# Altium PCB obc_board.PcbDoc (part 2 of 2) (continued)
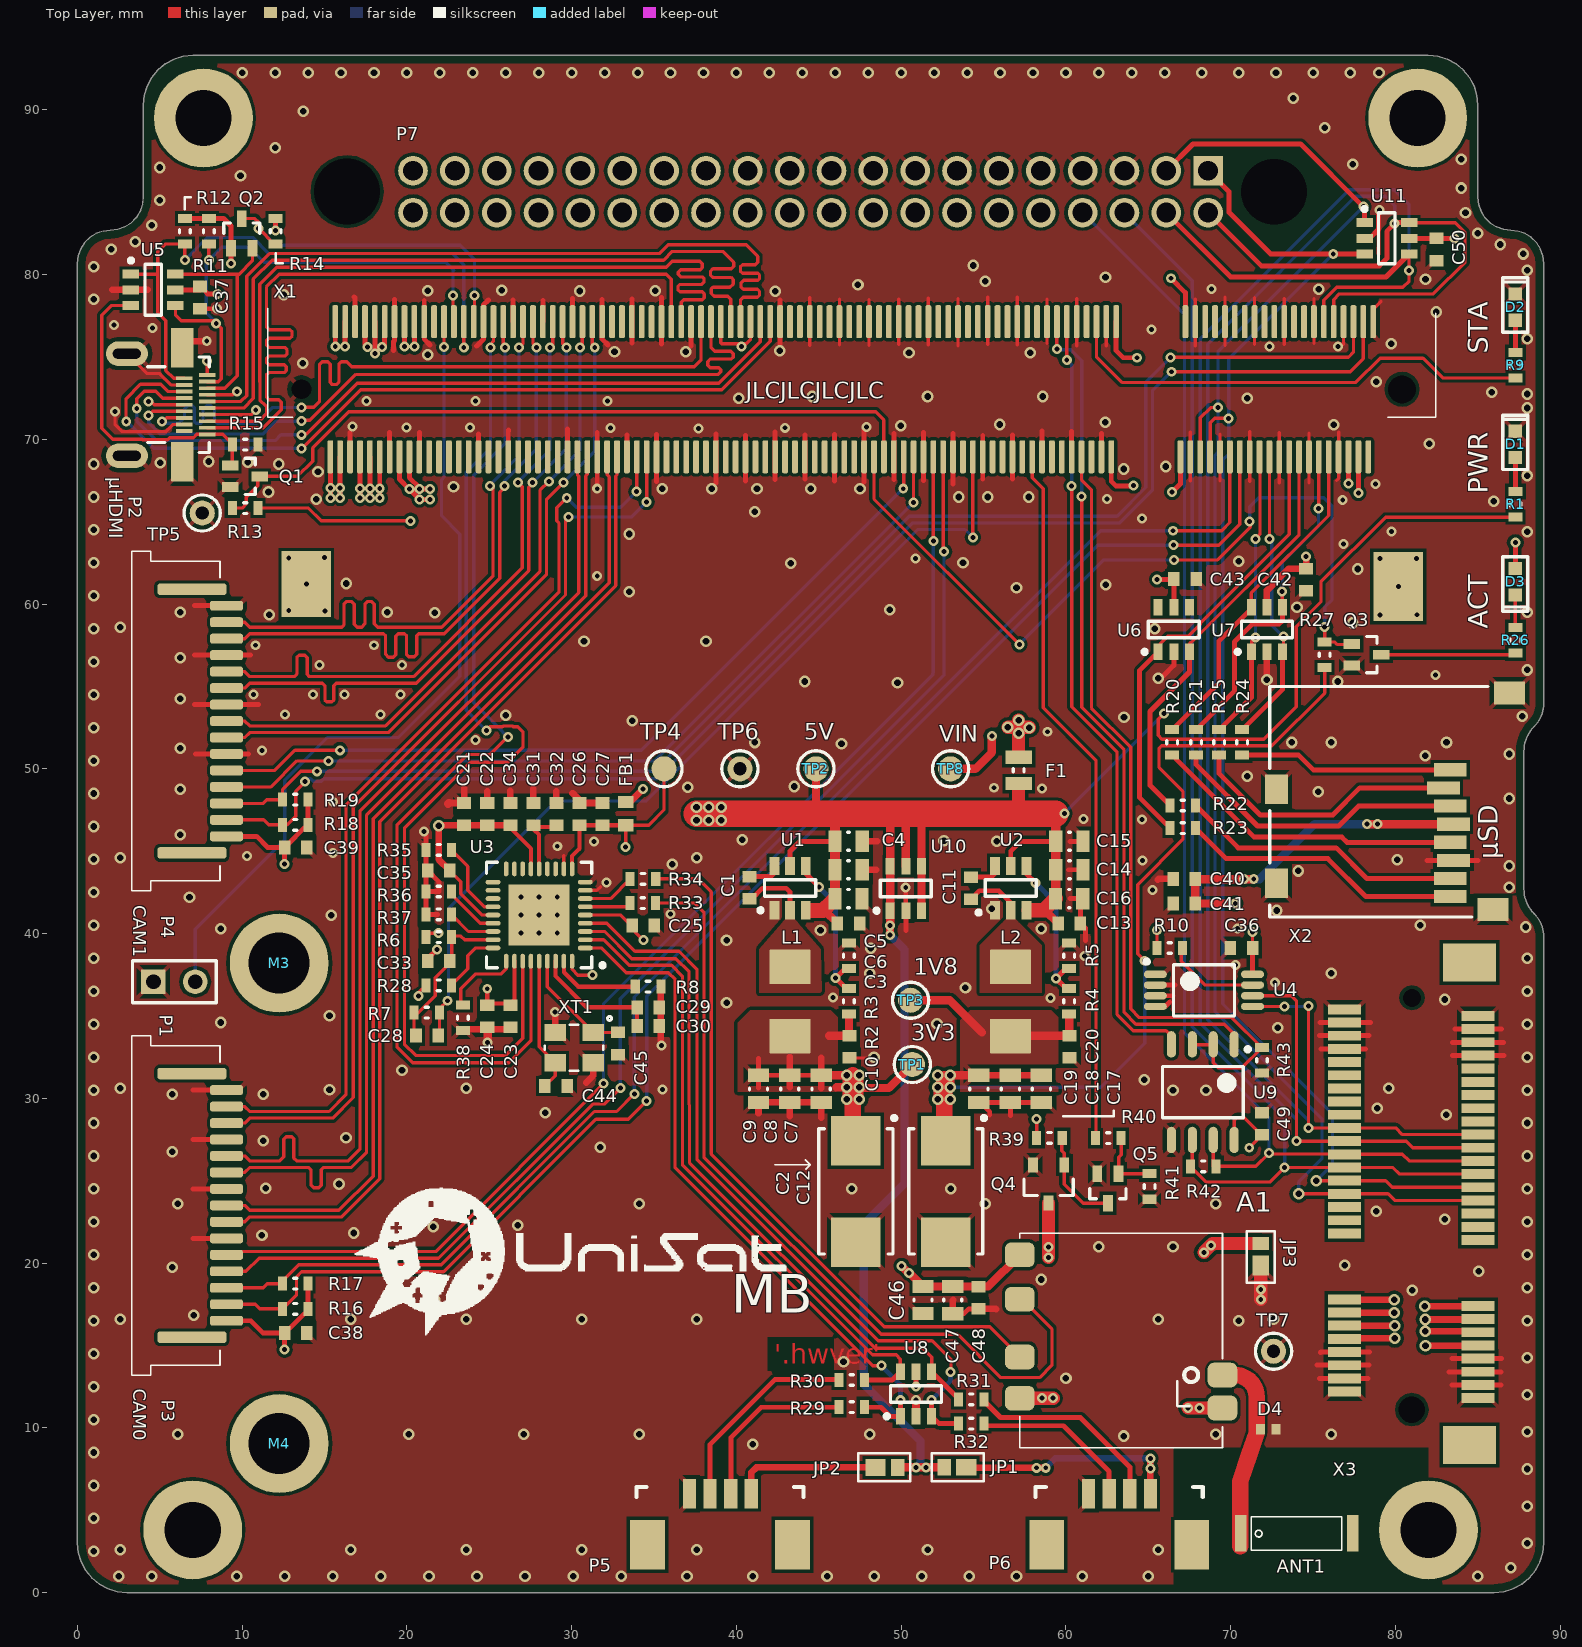
[diagram p0: Top Layer view]
## Nets (pads, with @x,y where several pads share a name; then routed paths per layer and width w, separated by ;. In a path a pad name is that pad's centre, name@x,y a point inside that pad or via, vN(x,y) a via of type N, cw(c..) or ccw(c..) an arc to the next point about the centre after c; other vN are vias at no path point) (continued)
HDMI_D0_P: P2.9 X1.119 | length 48.6
  Top Layer w0.2: P2.9@7.875,71.9 9.257,71.9 9.488,71.9 9.49,71.897 10.09,71.897 10.677,72.485 10.677,72.488 ; 10.678,72.488 10.678,73.319 10.675,73.322 10.675,79.731 11.819,80.875 35.575,80.875 36.1,81.4 39.175,81.4 39.842,80.733 39.842,80.492 39.7,80.35 38.575,80.35 38.425,80.2 38.425,79.95 38.55,79.825 39.675,79.825 39.8,79.7 39.8,79.425 39.6,79.225 38.575,79.225 38.475,79.125 38.475,78.85 38.65,78.675 39.475,78.675 39.65,78.5 X1.119@39.65,77.138
HDMI_D1_N: P2.8 X1.123 | length 45.5
  Top Layer w0.2: v2(4.325,71.45) 4.573,71.698 4.575,71.698 4.577,71.7 P2.8@6.475,71.7 ; v2@13.6,71.15 14.116,71.15 16.903,73.938 38.888,73.938 39.05,74.1 39.05,74.225 38.925,74.35 38.4,74.35 38.25,74.5 38.25,74.7 38.425,74.875 39.7,74.875 39.806,74.981 39.806,75.194 39.65,75.35 38.675,75.35 38.45,75.575 X1.123@38.45,77.138
  Bot Layer w0.2: v2(4.325,71.45) 4.325,71 5.002,70.323 5.62,70.323 5.623,70.325 11.275,70.325 12.05,71.1 v2(13.6,71.1)
HDMI_D1_P: P2.6 X1.125 | length 45.1
  Top Layer w0.2: v2@5.2,71.075 5.425,71.3 P2.6@6.475,71.3 ; v2@13.625,71.95 14.35,71.95 14.687,72.287 14.687,74.537 14.85,74.7 15.2,74.7 15.35,74.55 15.35,73.45 15.475,73.325 15.725,73.325 15.875,73.475 15.875,74.55 16.025,74.7 16.35,74.7 16.65,74.4 37.431,74.4 37.85,74.819 X1.125@37.85,77.138
  Bot Layer w0.2: v2@5.35,70.975 6.15,70.975 6.5,71.325 6.5,71.85 6.7,72.05 6.975,72.05 7.1,71.925 7.1,71.075 7.2,70.975 7.5,70.975 7.625,71.1 7.625,71.825 7.85,72.05 8.1,72.05 8.325,71.825 8.325,71.15 8.5,70.975 10.875,70.975 11.073,71.172 11.075,71.172 11.428,71.525 11.428,71.528 11.825,71.925 v2(13.6,71.925)
  other v2: 5.125,71.075
HDMI_D2_N: P2.5 X1.129 | length 49.6
  Top Layer w0.2: P2.5@7.875,71.1 9.156,71.1 9.159,71.098 10.422,71.098 10.424,71.1 11.025,71.1 11.475,71.55 11.475,71.975 11.428,72.022 11.428,72.025 11.078,72.374 11.078,73.484 11.075,73.487 11.075,79.425 12.1,80.45 35.75,80.45 36.1,80.8 37.775,80.8 37.925,80.65 37.925,80.425 37.8,80.3 36.625,80.3 36.475,80.15 36.475,80.025 36.65,79.85 37.95,79.85 38.025,79.775 38.025,79.525 37.9,79.4 36.575,79.4 36.45,79.275 36.45,79.075 36.575,78.95 37.925,78.95 38.05,78.825 38.05,78.6 37.925,78.475 36.8,78.475 36.65,78.325 X1.129@36.65,77.138
HDMI_D2_P: P2.3 X1.131 | length 47.7
  Top Layer w0.2: P2.3@7.875,70.7 8.991,70.7 8.993,70.698 10.587,70.698 10.59,70.7 11.275,70.7 12.363,71.787 12.363,72.263 12.225,72.4 11.625,72.4 11.478,72.547 11.478,73.65 11.475,73.653 11.475,73.925 11.6,74.05 12.55,74.05 12.675,74.175 12.675,74.4 12.55,74.525 11.625,74.525 11.475,74.675 11.475,74.9 11.625,75.05 12.575,75.05 12.725,75.2 12.725,75.425 12.575,75.575 11.625,75.575 11.475,75.725 11.475,75.975 11.625,76.125 12.881,76.125 13.025,76.269 13.025,76.525 12.9,76.65 11.65,76.65 11.475,76.825 11.475,79.25 12.25,80.025 35.75,80.025 36.05,79.725 X1.131@36.05,77.138
HDMI_HPD_N_1V8: Q1.3 R13.1 X1.88 | length 45.4
  Top Layer w0.2: R13.1@9.4,65.825 10,65.825 10.25,66.075 10.25,66.475 10.95,67.175 10.95,67.625 Q1.3@11.075,67.75 13.35,67.75 14.275,68.675 14.275,69.475 16.475,71.675 48.45,71.675 48.95,71.175 X1.88@48.95,68.938
HDMI_HT_DET: P2.1 Q1.1 R15.2 U5.3 | length 18.8
  Top Layer w0.2: U5.3@3.25,78.125 2.075,78.125 1.473,77.523 1.473,70.677 2.148,70.002 3.94,70.002 3.967,69.975 5.469,69.975 5.596,70.102 7.045,70.102 7.243,70.3 P2.1@7.875,70.3 8.825,70.3 9.4,69.725 R15.2@9.4,69.675 9.4,68.525 Q1.1@9.275,68.4
HDMI_SCL: P2.17 R11.1 U5.4 X1.175 | length 31.7
  Top Layer w0.2: U5.4@5.95,78.125 5.95,77.55 6.3,77.2 8.275,77.2 8.437,77.038 8.725,76.75 8.725,73.675 8.55,73.5 P2.17@7.875,73.5 ; v2(7.975,80.875) R11.1@7.975,81.85 ; v2(22.8,78.725) 22.8,77.188 X1.175@22.85,77.138
  Bot Layer w0.2: v2(8.425,77.025) 8.425,77.076 7.825,77.676 7.825,80.725 v2(7.975,80.875) 8.75,81.65 10.425,81.65 11.325,80.75 22.35,80.75 22.85,80.25 22.8,80.2 v2(22.8,78.725)
HDMI_SDA: P2.18 R12.1 U5.1 X1.173 | length 37.9
  Top Layer w0.2: U5.1@3.25,80.025 4.875,80.025 ; P2.18@6.475,73.7 5.841,73.7 5.366,74.175 5.366,77.209 4.875,77.7 4.875,80.025 ; v2(6.522,80.878) R12.1@6.522,81.85 5.325,81.85 4.875,81.4 4.875,80.025 ; v2(23.45,75.575) X1.173@23.45,77.138
  Bot Layer w0.2: v2(6.522,80.878) 7.895,82.25 10.65,82.25 11.625,81.275 22.775,81.275 23.45,80.6 v2(23.45,75.575)
HPLLFILT: C29.2 C30.2 U3.34 | length 7.8
  Top Layer w0.25: U3.34@29.025,38.325 29.025,37.414 30.914,35.525 C29.2@33.975,35.525 C30.2@33.975,34.375
HRBIAS: R8.2 U3.35 | length 5.4
  Top Layer w0.25: U3.35@29.525,38.325 29.525,37.65 30.4,36.775 R8.2@33.859,36.775
HRESET: C28.2 C33.1 R6.1 R7.2 U3.26 | length 9.7
  Top Layer w0.2: C28.2@20.55,33.8 20.425,33.925 R7.2@20.425,35.2 20.7,35.2 21.725,36.225 21.725,37.325 22.6,38.2 C33.1@22.6,38.32 ; C33.1@22.7,38.32 22.714,38.334 R6.1@22.714,39.783 22.781,39.85 23.275,39.85 23.5,39.625 U3.26@25.225,39.625
NetA1_1: A1.1 ANT1.1 D4.2 | length 12
  Top Layer w1: A1.1@69.5,13.2 70.25,13.2 cw(c70.25,11.875) 71.575,11.875 71.575,9.925 71.575,9.7 71.145,8.431 70.575,6.75 70.575,3.6 ANT1.1@70.575,2.825
NetC1_1: C1.1 L1.1 U1.2 | length 3.9
  Top Layer w0.3: C1.1@40.8,42.1 40.925,42.1 41.575,42.75 43.025,42.75 43.258,42.517 U1.2@43.258,41.412
NetC1_2: C1.2 U1.6 | length 2
  Top Layer w0.3: C1.2@40.8,43.45 42.075,43.45 42.308,43.683 U1.6@42.308,44.112
NetC11_1: C11.1 L2.1 U2.2 | length 3.4
  Top Layer w0.3: C11.1@54.225,42.08 54.745,42.6 55.925,42.6 56.65,41.875 U2.2@56.65,41.412
NetC11_2: C11.2 U2.6 | length 2
  Top Layer w0.3: C11.2@54.225,43.43 55.455,43.43 55.7,43.675 U2.6@55.7,44.112
NetD1_2: D1.2 R1.1 | length 2.1
  Top Layer w0.3: R1.1@87.275,66.825 D1.2@87.275,68.887
NetD2_2: D2.2 R9.1 | length 1.9
  Top Layer w0.3: R9.1@87.275,75.275 D2.2@87.275,77.225
NetD3_1: D3.1 R26.2 | length 2
  Top Layer w0.2: R26.2@87.275,58.575 D3.1@87.275,60.55
NetQ3_3: Q3.3 R26.1 | length 8.2
  Top Layer w0.2: Q3.3@79.15,56.925 87.175,56.925 R26.1@87.275,57.025
NetQ4_1: Q4.1 Q5.3 R39.1 | length 6
  Top Layer w0.2: R39.1@59.775,27.6 59.75,27.575 59.75,26.825 59.9,26.675 Q4.1@59.9,25.95 59.9,24.775 61.05,23.625 Q5.3@62.55,23.625
NetQ5_1: Q5.1 R40.2 R41.2 | length 4.1
  Top Layer w0.2: R40.2@63.35,27.578 63.35,26.575 63.2,26.425 Q5.1@63.2,25.425 R41.2@65.075,25.425
NetR2_1: R2.1 R3.2 U1.4 | length 9.7
  Top Layer w0.3: U1.4@44.208,44.112 44.208,43.642 45,42.85 v2(45,42.825) ; R2.1@46.825,36.675 46.65,36.675 v2(46.025,37.3) 46.6,37.875 R3.2@46.825,37.875
  Bot Layer w0.3: v2(45,42.825) 46.025,41.8 v2(46.025,37.3)
NetR4_1: R4.1 R5.2 U2.4 | length 9.5
  Top Layer w0.3: U2.4@57.6,43.925 57.6,43.625 v2(58.15,43.075) ; R4.1@60.2,36.675 60,36.675 v2(59.4,37.275) 60,37.875 R5.2@60.2,37.875
  Bot Layer w0.3: v2(58.15,43.075) 59.4,41.825 v2(59.4,37.275)
NetR10_1: R10.1 U4.7 | length 5.7
  Top Layer w0.2: R10.1@67.075,39.1 67,39.025 67,38.325 68.45,36.875 U4.7@71.325,36.875
NetR28_2: R28.2 U3.27 | length 3.9
  Top Layer w0.2: R28.2@22.7,36.85 23.7,37.85 23.7,38.65 24.175,39.125 U3.27@25.225,39.125
NetR33_1: R33.1 U3.6 | length 2.8
  Top Layer w0.2: U3.6@30.825,41.625 33.325,41.625 R33.1@33.55,41.85
NetR34_1: R34.1 U3.7 | length 3.2
  Top Layer w0.2: U3.7@30.825,42.125 32.358,42.125 R34.1@33.552,43.319
NetR35_2: R35.2 U3.22 | length 4.8
  Top Layer w0.2: R35.2@22.7,45.075 23.7,44.075 23.7,42.625 24.7,41.625 U3.22@25.225,41.625
NetR36_2: R36.2 U3.24 | length 3.4
  Top Layer w0.2: R36.2@22.7,42.555 22.7,42.375 24.45,40.625 U3.24@25.225,40.625
NetR37_2: R37.2 U3.25 | length 3
  Top Layer w0.2: R37.2@22.7,41.16 23.735,40.125 U3.25@25.225,40.125
NetR38_2: R38.2 U3.28 | length 4.7
  Top Layer w0.2: R38.2@23.2,35.725 23.275,35.725 23.275,36.65 24.175,37.55 25.725,37.55 26.025,37.85 U3.28@26.025,38.325
NetR43_2: R43.2 U9.2 U9.3 X1.48 | length 49.8
  Top Layer w0.2: X1.48@60.95,68.938 60.95,67.525 61.555,66.92 61.555,66.275 61.55,66.27 61.55,53.688 63.925,51.313 63.925,35.425 64.45,34.9 70.075,34.9 R43.2@71.9,33.075 70.675,31.85 69.25,31.85 68.94,32.16 68.94,33.25 67.945,33.25 67.82,33.125 U9.3@67.67,32.975
NetU9_1: U9.1 X1.53 | length 52.1
  Top Layer w0.2: v2(59.45,75.475) X1.53@59.45,77.138 ; v2(60.953,66.525) 60.953,53.725 60.95,53.722 63.525,51.147 63.525,35.225 64.25,34.5 69.6,34.5 70.13,33.97 U9.1@70.13,33.423 ; U9.1@70.13,33.423 70.21,33.343 U9.1@70.21,33.275 70.13,33.355 U9.1@70.13,33.423
  Bot Layer w0.2: v2(59.45,75.475) 59.45,75.43 59.452,75.427 60.3,75.427 60.953,74.774 v2(60.953,66.525)
NetU9_4: U9.4 X1.51 | length 47.7
  Top Layer w0.2: v2(60.05,74.825) 60.053,74.828 60.053,77.135 X1.51@60.05,77.138 ; v2(60.35,67.175) 60.35,53.756 63.1,51.006 63.1,35.084 64.084,34.1 66.075,34.1 66.4,33.775 U9.4@66.4,33.275
  Bot Layer w0.2: v2(60.05,74.825) 60.35,74.525 v2(60.35,67.175)
OBC_VIN: F1.1 P7.10 P7.12 TP8.0 | length 7.5
  Top Layer w0.5: TP8.0@53,50 54.5,50 55.5,51 v2(55.5,52)
  Top Layer w0.8: v1(56.475,52.525) 57.125,52.525 ; F1.1@57.125,50.7 v1(57.125,52.15) 57.125,52.5 57.125,52.525 ; v1(57.125,52.95) 57.125,52.525 ; v1(57.775,52.5) 57.75,52.525 57.125,52.525
RS485A: P7.6 R42.2 U9.6 X3.27 X3.28 | length 82.5
  Top Layer w0.2: R42.2@67.55,25.825 R42.2@67.55,25.875 68.5,24.925 72.402,24.925 v2(73.279,25.801) ; U9.6@67.55,27.45 67.563,27.438 67.575,27.425 U9.6@67.587,27.413 ; U9.6@67.588,27.413 67.598,27.403 67.6,27.4 67.613,27.387 67.625,27.375 67.638,27.362 67.65,27.35 67.663,27.337 U9.6@67.67,27.33 ; R42.2@67.67,25.875 U9.6@67.67,27.33 ; U9.6@67.67,27.775 U9.6@67.67,27.475 U9.6@67.67,27.33 ; v2@73.279,25.8 X3.28@76.9,25.8 79.85,25.8 80.25,25.4 X3.27@85,25.4
  Bot Layer w0.2: P7.6@63.55,83.76 67.675,79.635 67.675,34.35 73.279,28.746 v2(73.279,25.801)
RS485B: P7.8 R42.1 U9.7 X3.29 X3.30 | length 80.1
  Top Layer w0.2: R42.1@68.94,25.875 U9.7@68.94,27.475 U9.7@68.94,27.775 ; R42.1@69.1,25.875 71.525,25.875 v2(72.325,26.675) ; v2@72.325,26.625 76.875,26.625 X3.30@76.9,26.6 80.425,26.6 80.825,26.2 X3.29@85,26.2
  Bot Layer w0.2: P7.8@61.01,83.76 67.2,77.57 67.2,33.95 72.325,28.825 v2(72.325,26.675)
RUN: P1.2 X1.177 | length 49.7
  Top Layer w0.2: v2(22.25,75.6) X1.177@22.25,77.138
  Bot Layer w0.2: P1.2@7.15,37.075 7.15,40.275 12.575,45.7 12.575,49.3 15.175,51.9 19.475,51.9 23.2,55.625 23.2,64.25 22.1,65.35 22.1,67.55 22.25,67.7 v2(22.25,75.6)
SD0_CLK_ESD: R20.1 U7.6 X1.10 | length 20.5
  Top Layer w0.2: U7.6@71.25,59.8 71.25,60.675 75.95,65.375 X1.10@75.95,68.938
  Top Layer w0.3: R20.1@66.45,52.375 69.275,55.2 69.275,57.75 71.25,59.725 U7.6@71.25,59.8
SD0_CMD_ESD: R21.1 U7.4 X1.12 | length 20.6
  Top Layer w0.2: v2(73.125,60.75) 73.125,59.875 73.175,59.825 U7.4@73.15,59.8 ; v2(75.325,65.8) 75.35,65.825 X1.12@75.35,68.938
  Top Layer w0.3: R21.1@67.9,52.375 70.225,54.7 70.225,57.7 71.3,58.775 72.925,58.775 73.15,59 U7.4@73.15,59.8
  Bot Layer w0.2: v2(73.125,60.75) 73.125,62.525 75.325,64.725 v2(75.325,65.8)
SD0_D0_ESD: R22.1 U6.3 X1.16 | length 25.4
  Top Layer w0.2: U6.3@67.5,57.1 67.5,57.6 67.55,57.65 67.591,57.65 74.15,64.209 X1.16@74.15,68.938
  Top Layer w0.3: R22.1@66.325,47.775 65.1,49 65.1,53.475 67.5,55.875 U6.3@67.5,57.1
SD0_D1_ESD: R23.1 U6.1 X1.18 | length 27.8
  Top Layer w0.2: U6.1@65.6,57.1 65.6,57.475 66.175,58.05 67.425,58.05 68.15,58.775 68.15,58.825 73.55,64.225 X1.18@73.55,68.938
  Top Layer w0.3: U6.1@65.6,57.1 64.475,55.975 64.475,48.25 R23.1@66.325,46.4
SD0_D2_ESD: R24.1 U7.3 X1.22 | length 18
  Top Layer w0.2: v2(72.35,63.95) X1.22@72.35,68.938 ; U7.3@73.15,57.1 73.2,57.15 v2(73.2,58.025)
  Top Layer w0.3: R24.1@70.7,52.375 73.15,54.825 U7.3@73.15,57.1
  Bot Layer w0.2: v2(72.35,63.95) 72.5,63.8 72.5,58.725 v2(73.2,58.025)
SD0_D3_ESD: R25.1 U7.1 X1.24 | length 17.6
  Top Layer w0.2: U7.1@71.25,57.1 71.275,57.125 71.275,57.75 v2(71.5,57.975) ; v2(71.5,63.95) 71.5,63.952 71.775,64.227 71.775,68.913 X1.24@71.75,68.938
  Top Layer w0.3: R25.1@69.3,52.375 71.25,54.325 U7.1@71.25,57.1
  Bot Layer w0.2: v2(71.5,57.975) v2(71.5,63.95)
SDCARD_CLK: R20.2 X2.5 | length 19
  Top Layer w0.3: R20.2@66.45,50.825 71.425,45.85 76.75,45.85 77.06,45.54 X2.5@83.225,45.54
SDCARD_CMD: R21.2 X2.3 | length 17.9
  Top Layer w0.3: R21.2@67.9,50.825 67.9,50.25 71.625,46.525 76.55,46.525 77.765,47.74 X2.3@83.225,47.74
SDCARD_D0: R22.2 X2.7 | length 17.2
  Top Layer w0.3: R22.2@67.875,47.775 70.45,45.2 76.4,45.2 78.26,43.34 X2.7@83.225,43.34
SDCARD_D1: R23.2 X2.8 | length 17.1
  Top Layer w0.3: R23.2@67.875,46.4 69.725,44.55 75.9,44.55 78.21,42.24 X2.8@83.225,42.24
SDCARD_D2: R24.2 X2.1 | length 12.9
  Top Layer w0.3: R24.2@70.7,50.825 74.125,50.825 75.01,49.94 X2.1@83.225,49.94
SDCARD_D3: R25.2 X2.2 | length 16.4
  Top Layer w0.3: R25.2@69.3,50.825 69.3,49.7 71.8,47.2 76.2,47.2 77.84,48.84 X2.2@82.825,48.84
STATUS: R9.2 X1.45 | length 29.3
  Top Layer w0.2: X1.45@61.85,77.138 61.85,75 63.4,73.45 77.6,73.45 79.075,74.925 81.675,74.925 82.875,73.725 R9.2@87.275,73.725
SUSB1_DN: P5.2 R29.2 | length 10.8
  Top Layer w0.3: P5.2@39.65,5.975 39.662,5.987 39.675,6 39.675,9.425 41.5,11.25 R29.2@46.225,11.25
SUSB1_DP: P5.3 R30.2 | length 12.5
  Top Layer w0.3: P5.3@38.4,5.975 P5.3@38.4,6 38.4,9 42.325,12.925 46.2,12.925 R30.2@46.225,12.9
SUSB1_ESD_N: R29.1 U3.1 U8.1 | length 41.8
  Top Layer w0.2: U3.1@30.825,39.125 31.8,39.125 33.3,37.625 35.875,37.625 36.275,37.225 36.275,30.025 ; 36.275,30.7 36.275,25.775 48.275,13.775 v2(48.8,13.775)
  Top Layer w0.3: R29.1@47.775,11.25 48.775,11.25 49.325,10.7 U8.1@49.95,10.7 v2(49.95,11.675)
  Bot Layer w0.3: v2(48.8,13.775) 49.95,12.625 v2(49.95,11.675)
SUSB1_ESD_P: R30.1 U3.2 U8.6 | length 39.5
  Top Layer w0.2: U3.2@30.825,39.625 31.936,39.625 33.486,38.075 36.061,38.075 36.725,37.411 36.725,37.3 36.725,25.961 48.259,14.427 49.698,14.427 49.95,14.175 U8.6@49.95,13.4
  Top Layer w0.3: R30.1@47.775,12.9 49.45,12.9 U8.6@49.95,13.4
SUSB2_DN: P6.2 R31.2 | length 12.2
  Top Layer w0.3: R31.2@55.025,11.725 55.025,11.625 56.025,10.625 60.875,10.625 63.875,7.625 P6.2@63.875,6
SUSB2_DP: P6.3 R32.2 | length 10.1
  Top Layer w0.3: R32.2@55.025,10.125 59.85,10.125 62.625,7.35 P6.3@62.625,6
SUSB2_ESD_N: R31.1 U3.3 U8.4 | length 41.7
  Top Layer w0.2: U3.3@30.825,40.125 32.002,40.125 33.652,38.475 36.327,38.475 37.125,37.677 37.125,29.625 37.15,29.6 37.15,26.102 48.425,14.827 51.298,14.827 51.85,14.275 U8.4@51.85,13.4
  Top Layer w0.3: U8.4@51.85,13.4 53.5,11.75 R31.1@53.525,11.725
SUSB2_ESD_P: R32.1 U3.4 U8.3 | length 45.7
  Top Layer w0.2: U3.4@30.825,40.625 32.138,40.625 33.838,38.925 36.513,38.925 37.6,37.838 37.6,26.288 48.611,15.277 51.873,15.277 53.025,14.125 53.025,13.425 v2(53,13.4)
  Top Layer w0.3: v2(51.85,11.7) U8.3@51.85,10.7 52.3,10.25 53.35,10.25 53.412,10.188 R32.1@53.475,10.125
  Bot Layer w0.3: v2(51.85,11.7) 53,12.85 v2(53,13.4)
USB_N: U3.30 X1.167 | length 64.4
  Top Layer w0.2: v2(24.825,52.325) 24.825,52.35 25.027,52.553 25.805,52.553 25.85,52.597 26.27,52.597 26.275,52.603 26.395,52.603 26.445,52.553 26.722,52.553 27.05,52.225 27.05,51.325 26.125,50.4 23.85,50.4 19.85,46.4 19.85,33.286 20.536,32.6 25.989,32.6 27.025,33.636 U3.30@27.025,38.325 ; v2(25.076,75.579) 25.076,75.679 25.125,75.727 25.076,75.776 25.25,75.95 X1.167@25.25,77.138
  Bot Layer w0.2: v2(24.825,52.325) 23.6,53.55 23.6,68.011 25.076,69.488 v2(25.076,75.579)
USB_P: U3.31 X1.165 | length 63.3
  Top Layer w0.2: X1.165@25.85,77.138 25.85,75.675 v2(25.95,75.575) ; v2(26.126,51.928) 26.126,51.949 26.125,51.95 26.114,51.939 25.037,50.863 23.663,50.863 19.4,46.6 19.4,33.1 20.35,32.15 26.175,32.15 27.525,33.5 U3.31@27.525,38.325
  Bot Layer w0.2: v2(25.95,75.575) 25.95,69.725 24.05,67.825 24.05,54.004 25.076,52.978 25.095,52.978 25.478,52.595 25.478,52.576 v2(26.126,51.928)
WIFI_DIS: R40.1 X1.58 | length 43
  Top Layer w0.2: X1.58@57.95,68.938 57.95,67.675 58.625,67 58.625,53.7 61.825,50.5 61.825,27.603 R40.1@61.8,27.578
WIFI_GND: A1.2 A1.3 JP3.2 Q4.3 | length 11.8
  Top Layer w0.8: A1.3@57.2,11.8 v2(58.55,11.8) v2(59.225,11.8) ; Q4.3@58.95,23.65 v2(58.95,20.975) ; v2(67.4,11.2) v2(68.1,11.2) A1.2@69.5,11.2 ; v2(68.375,20.65) v2(68.8,21.075) 68.91,21.185 71.825,21.185 JP3.2@71.875,21.185 ; v2(58.95,20.975) v2(58.95,20.35) v2(58.95,20.975)
WRL_USB_N: A1.5 R33.2 | length 49.9
  Top Layer w0.2: R33.2@35.1,41.85 37.475,41.85 38.025,41.3 38.025,26.429 48.777,15.677 53.423,15.677 56.05,13.05 58.4,13.05 59.15,13.8 59.15,16 57.35,17.8 A1.5@57.2,17.8
WRL_USB_P: A1.4 R34.2 | length 43.6
  Top Layer w0.2: R34.2@34.931,43.319 R34.2@35.102,43.319 37.681,43.319 38.475,42.525 38.475,26.616 48.963,16.127 55.373,16.127 A1.4@57.2,14.3
XTAL1: C45.2 U3.33 XT1.1 | length 7
  Top Layer w0.2: U3.33@28.525,38.325 28.525,36.775 XT1.1@31.3,34 C45.2@32.825,34
XTAL2: C44.2 U3.32 XT1.3 | length 8.2
  Top Layer w0.2: U3.32@28.025,38.325 28.025,33.125 XT1.3@29,32.15 29,31.375 C44.2@28.375,30.75
pads on no net: ANT1.2 M3.0 M4.0 P2.2 P3.SH1 P3.SH2 P4.SH1 P4.SH2 P5.5 P6.5 P7.18 P7.20 P7.22 P7.24 P7.25 P7.26 P7.27 P7.28 P7.29 P7.30 P7.31 P7.32 P7.33 P7.34 P7.35 P7.36 P7.37 P7.38 P7.39 P7.40 P7.PMNT1 P7.PMNT2 U3.12 U3.13 U3.16 U3.17 U3.18 U3.19 U3.20 U3.21 U6.4 U6.6 X1.0 X1.2 X1.15 X1.17 X1.21 X1.23 X1.27 X1.29 X1.33 X1.35 X1.46 X1.47 X1.52 X1.54 X1.57 X1.59 X1.60 X1.63 X1.64 X1.65 X1.66 X1.69 X1.71 X1.72 X1.75 X1.77 X1.81 X1.83 X1.87 X1.89 X1.93 X1.94 X1.95 X1.96 X1.99 X1.100 X1.101 X1.102 X1.105 X1.106 X1.107 X1.108 X1.112 X1.114 X1.118 X1.120 X1.124 X1.126 X1.128 X1.130 X1.132 X1.135 X1.137 X1.141 X1.143 X1.154 X1.156 X1.158 X1.160 X1.162 X1.166 X1.168 X1.172 X1.174 X1.176 X1.178 X1.179 X1.180 X1.PAD1 X1.PAD2 X3.0 X3.17 X3.18 X3.19 X3.20 X3.21 X3.22 X3.35 X3.36 X3.37 X3.38 X3.39 X3.40 X3.41 X3.42 X3.43 X3.44 X3.MNT1 X3.MNT2
copper on no net:
  other v3: 79.05,59.325 81.3,59.35 15.025,59.575 12.825,59.6 80.175,61.062 13.9,61.213 79.075,62.775 81.275,62.775 12.825,62.8 15,62.825

## Polygon pours and split planes (outlines as drawn)
GND on Bot Layer "Bot Layer_GND" (solid, remove dead copper, pour order 12): 0,0 89,0 89,93.3 0,93.3
NetC11_1 on Top Layer "NETC11_1_L01_P008" (solid, pour order 8): 54.775,39.3 54.775,36.4 58.525,36.4 58.525,39.3 56.95,40.875 56.35,40.875
+1V8 on Top Layer "+1V8_L01_P006" (solid, pour order 6): 53.575,30.4 53.575,34.725 54.2,35.35 59.1,35.35 59.525,34.925 59.525,30.4
GND on Top Layer "Top Layer_GND" (solid, remove dead copper, pour order 10): 0,0 89,0 89,93.3 0,93.3
NetC1_1 on Top Layer "NETC1_1_L01_P002" (solid, pour order 2): 41.375,39.051 41.375,36.4 45.175,36.4 45.125,39.051 43.55,40.875 42.95,40.875
+3V3 on Top Layer "+3V3_L01_P004" (solid, remove dead copper, pour order 4): 40.075,30.4 40.075,34.6 40.825,35.35 45.725,35.35 46.15,34.925 46.15,30.4
WIFI_GND on Ground Plane (split plane): 68.998,9.302 57.652,9.302 57.652,21.323 68.998,21.323
GND on Ground Plane (split plane): 224 vertices, not listed, extent 0.51,0.51 88.491,92.789
OBC_VIN on Power Plane (split plane): 62.998,51.702 55.202,51.702 55.202,85.798 62.998,85.798
GND on Power Plane (split plane): 35.598,64.602 23.502,64.602 23.502,76.698 35.598,76.698
+VBAT_TRX on Power Plane (split plane): 54.198,51.2 54.207,51.102 54.236,51.008 54.282,50.921 54.345,50.845 54.421,50.782 54.508,50.736 54.602,50.707 54.7,50.698 82.898,50.698 82.898,13.602 75.802,13.602 75.802,16.775 75.802,43.1 75.793,43.198 75.764,43.292 75.718,43.379 75.655,43.455 75.579,43.518 75.492,43.564 75.398,43.593 75.3,43.602 46.272,43.602 46.272,63.766 46.318,63.821 46.364,63.908 46.393,64.002 46.402,64.1 46.393,64.198 46.364,64.292 46.318,64.379 46.272,64.434 46.272,85.798 54.198,85.798
+VDDA_USB on Power Plane (split plane): 35.698,43.325 35.698,43.1 35.698,35.977 23.952,35.977 23.952,45.973 35.698,45.973
+1V8 on Power Plane (split plane): 22.498,64.1 22.507,64.002 22.536,63.908 22.582,63.821 22.645,63.745 22.721,63.682 22.808,63.636 22.902,63.607 23,63.598 45.268,63.598 45.268,43.1 45.277,43.002 45.306,42.908 45.352,42.821 45.415,42.745 45.491,42.682 45.578,42.636 45.672,42.607 45.77,42.598 54.192,42.598 55.948,40.842 55.948,30.002 50.202,30.002 50.202,38.7 50.193,38.798 50.164,38.892 50.118,38.979 50.055,39.055 49.979,39.118 49.892,39.164 49.798,39.193 49.7,39.202 41.402,39.202 41.402,60 41.393,60.098 41.364,60.192 41.318,60.279 41.255,60.355 41.179,60.418 41.092,60.464 40.998,60.493 40.9,60.502 19.952,60.502 19.952,76.698 22.498,76.698
+5V on Power Plane (split plane): 16.123,60 16.132,59.902 16.161,59.808 16.207,59.721 16.27,59.645 16.346,59.582 16.433,59.536 16.527,59.507 16.625,59.498 40.398,59.498 40.398,43.602 36.702,43.602 36.702,55.8 36.693,55.898 36.664,55.992 36.618,56.079 36.555,56.155 36.479,56.218 36.392,56.264 36.298,56.293 36.2,56.302 12.902,56.302 12.902,73.075 12.893,73.173 12.864,73.267 12.818,73.354 12.755,73.43 12.679,73.493 12.592,73.539 12.498,73.568 12.4,73.577 7.777,73.577 7.777,80.973 16.123,80.973
+3V3 on Power Plane (split plane): 196 vertices, not listed, extent 0.51,0.51 88.491,92.789

## Other copper
Top Layer:
  text "'.hwver'" at 42.3,13.875 h1.2
Ground Plane (plane layer: these items are gaps in the copper):
  pour cut-out: 68.7,8.812 82.025,8.812 82.025,0.012 68.7,0.012
  lines w1: 57.15,8.8 69.5,8.8 69.5,21.825 57.15,21.825 57.15,8.8
Power Plane (plane layer: these items are gaps in the copper):
  pour cut-out: 68.7,0.012 68.7,8.812 82.025,8.812 82.025,0.012
  lines w1: 19.5,60 16.625,60 16.625,81.475 7.275,81.475 7.275,73.075 12.4,73.075 12.4,55.8 36.2,55.8 36.2,43.1 40.9,43.1 ; 23.1,77.2 19.45,77.2 19.45,60 40.9,60 40.9,38.7 49.7,38.7 49.7,29.5 56.45,29.5 56.45,41.05 54.4,43.1 ; 36.075,35.5 36.2,35.5 36.2,43.325 ; 36.2,35.475 23.45,35.475 23.45,46.475 36.2,46.475 ; 45.9,64.1 36.1,64.1 ; 75.3,13.05 75.3,16.775 ; 75.3,16.625 75.3,43.1 45.77,43.1 45.77,86.3 54.7,86.3 ; 75.35,13.1 83.4,13.1 83.4,51.2 63.5,51.2 ; 36.1,64.1 36.1,77.2 23,77.2 23,64.1 36.1,64.1 ; 54.7,86.3 54.7,51.2 63.5,51.2 ; 54.7,86.3 63.5,86.3 63.5,51.2
Multi-Layer:
  pour cut-out: 82.025,8.825 66.5,8.825 66.5,0 82.025,0

## Silkscreen, mask and mechanical layers (free items; w line width, h text height)
Top Overlay:
  drawing of 27 lines, arcs and shapes, not listed
  text "STA" at 85.6,75.2 h1.2 r90
  text "JLCJLCJLCJLC" at 40.55,72.475 h1
  text "μHDMI" at 1.65,67.7 h1.4 r270
  text "PWR" at 85.6,66.7 h1.2 r90
  text "ACT" at 85.6,58.5 h1.2 r90
  text "μSD" at 86.6,44.5 h2 r90
  text "CAM1" at 3.375,41.725 h0.8 r270
  text "MB" at 39.7,16.2 h4
  text "CAM0" at 3.375,12.375 h0.8 r270
Outline:
  lines w0.2: 89,29.65 89,3 88.942,2.415 88.772,1.852 88.494,1.333 88.121,0.879 87.667,0.506 87.148,0.228 86.585,0.058 86,0 3,0 2.415,0.058 1.852,0.228 1.333,0.506 0.879,0.879 0.506,1.333 0.228,1.852 0.058,2.415 0,3 0,29.65 0,63.65 0,80.692 0.05,81.137 0.198,81.56 0.436,81.939 0.753,82.256 1.132,82.494 1.555,82.642 2,82.692 2.445,82.742 2.868,82.89 3.247,83.128 3.564,83.445 3.802,83.824 3.95,84.247 4,84.692 4,90.3 4.058,90.885 4.228,91.448 4.506,91.967 4.879,92.421 5.333,92.794 5.852,93.072 6.415,93.242 7,93.3 82,93.3 82.585,93.242 83.148,93.072 83.667,92.794 84.121,92.421 84.494,91.967 84.772,91.448 84.942,90.885 85,90.3 85,84.692 85.05,84.247 85.198,83.824 85.436,83.445 85.753,83.128 86.132,82.89 86.555,82.742 87,82.692 87.445,82.642 87.868,82.494 88.247,82.256 88.564,81.939 88.802,81.56 88.95,81.137 89,80.692 89,53.963 cw(c87.037,53.963) 88.425,52.575 ccw(c89.934,51.066) 87.8,51.066 87.8,42.709 ccw(c89.934,42.709) 88.425,41.2 cw(c87.037,39.812) 89,39.812 89,29.65 ; 89,29.65 89,29.65
Mechanical 29:
  lines w0.2: 24.55,1.5 24.55,5 ; 29.125,1.5 29.125,5 ; 48.925,1.275 48.925,5 ; 53.45,1.225 53.45,5
  lines w0.3: 87.8,51.066 cw(c89.934,51.066) 88.425,52.575 ccw(c87.037,53.963) 89,53.963 ; 87.8,51.066 87.8,42.709 ccw(c89.934,42.709) 88.425,41.2 cw(c87.037,39.812) 89,39.812 89,29.65 ; 87.8,51.066 87.8,51.066 ; 89,29.65 89,3 88.942,2.415 88.772,1.852 88.494,1.333 88.121,0.879 87.667,0.506 87.148,0.228 86.585,0.058 86,0 3,0 2.415,0.058 1.852,0.228 1.333,0.506 0.879,0.879 0.506,1.333 0.228,1.852 0.058,2.415 0,3 0,29.65 0,63.65 0,80.692 0.05,81.137 0.198,81.56 0.436,81.939 0.753,82.256 1.132,82.494 1.555,82.642 2,82.692 2.445,82.742 2.868,82.89 3.247,83.128 3.564,83.445 3.802,83.824 3.95,84.247 4,84.692 4,90.3 4.058,90.885 4.228,91.448 4.506,91.967 4.879,92.421 5.333,92.794 5.852,93.072 6.415,93.242 7,93.3 82,93.3 82.585,93.242 83.148,93.072 83.667,92.794 84.121,92.421 84.494,91.967 84.772,91.448 84.942,90.885 85,90.3 85,84.692 85.05,84.247 85.198,83.824 85.436,83.445 85.753,83.128 86.132,82.89 86.555,82.742 87,82.692 87.445,82.642 87.868,82.494 88.247,82.256 88.564,81.939 88.802,81.56 88.95,81.137 89,80.692 89,53.963 ; 89,29.65 89,29.65 ; 89,53.963 89,53.963
  text "RF" at 26.025,2.675 h1
  text "RF" at 50.5,2.525 h1

## Text inside footprints (layer, text, board x,y; h text height)
X3: Mechanical 29 "keep out" at 26.525,23.575 h1.2; Mechanical 29 "keep out" at 12.6,23.85 h1.2